# Altium PCB 2-quilter-output.PcbDoc (part 6 of 26)
Units mil, origin at the board's own origin, x right, y up, seen from the top; angles counter-clockwise.
Board outline 4130.55 x 4250 mil, 8 copper layers (L1, Ground L2, L3, Power L4, Ground L5, L6, Ground L7, L8), stack 62.985 mil thick; 591 components, 494 nets, 2245 pads, 1508 vias.
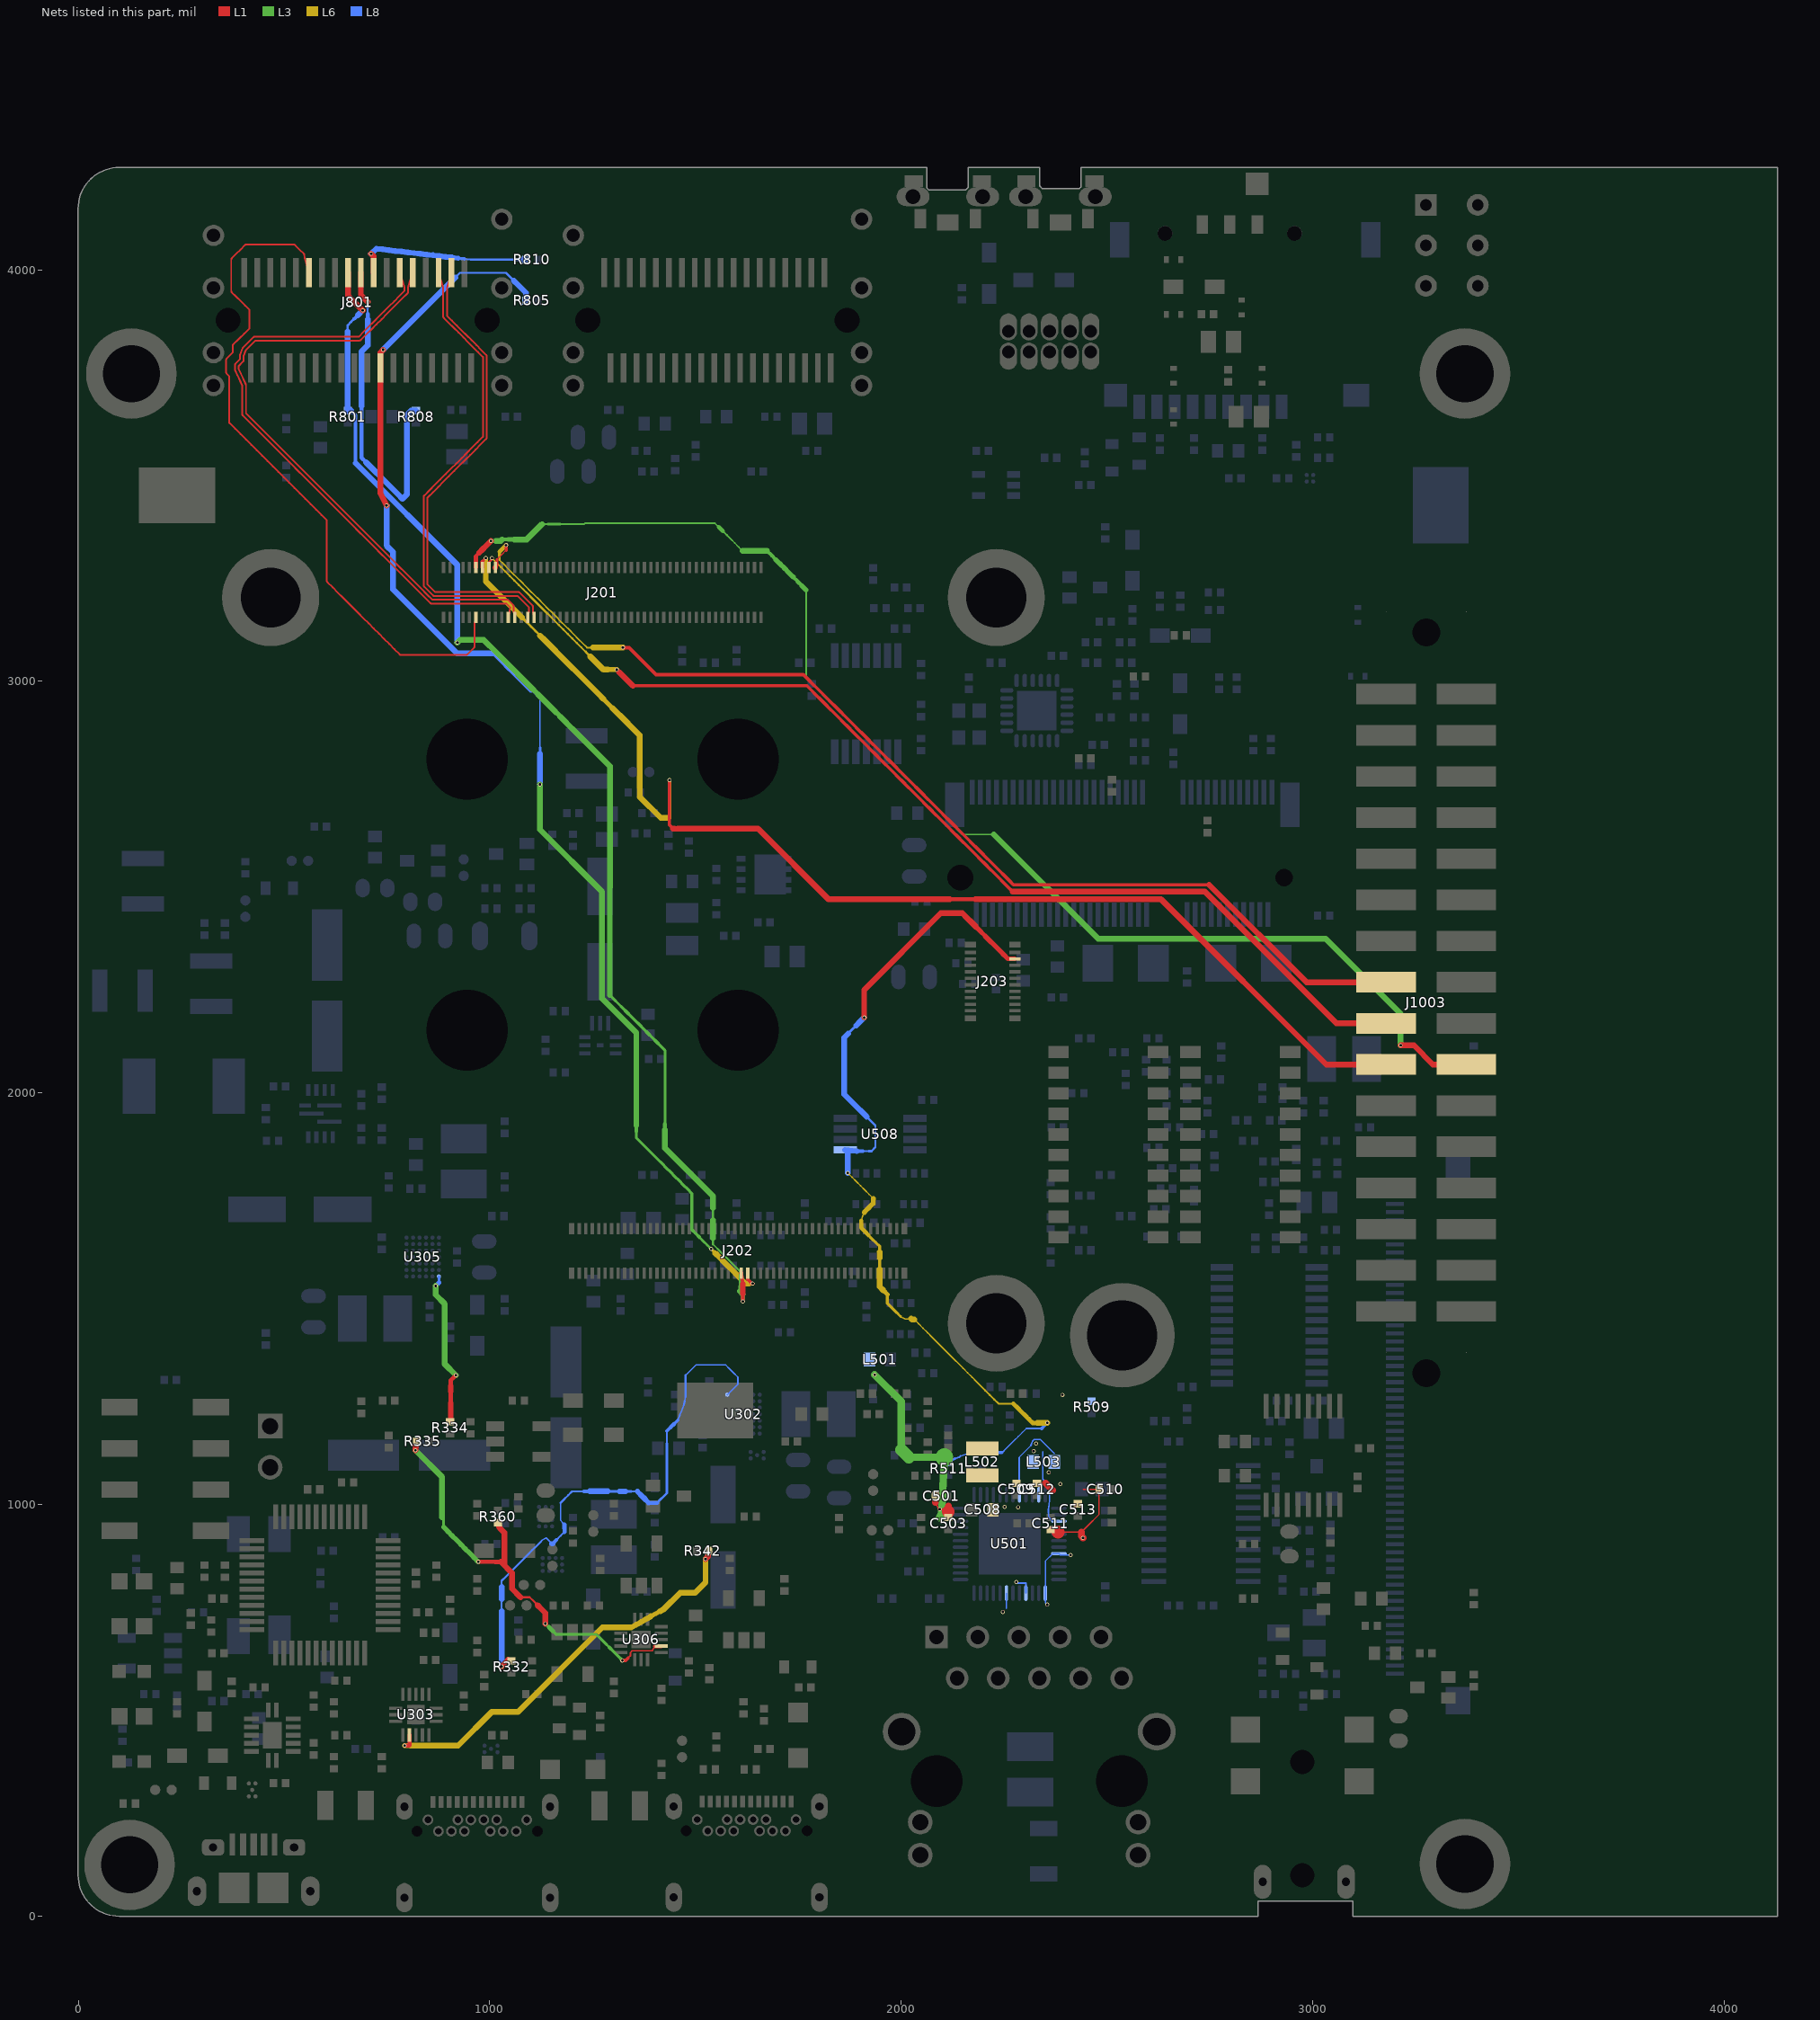
[diagram p12: the nets of this part, all layers, seen from the top]

## Via types
v1: diameter 9.85, hole 5.91, L1 to L8, tented both sides, 1508 vias

## Nets (pads, with @x,y where several pads share a name; then routed paths per layer and width w, separated by ;. In a path a pad name is that pad's centre, name@x,y a point inside that pad or via, vN(x,y) a via of type N, cw(c..) or ccw(c..) an arc to the next point about the centre after c; other vN are vias at no path point) (continued)
DSI_D1_P: J201.11 J801.B6 | length 1681.7
  L1 w4.28: J801.B6@560.94,3993.5 555.39,4011.29 549.84,4029.09 549.74,4035.44 549.74,4035.57 549.73,4035.69 549.72,4035.81 549.71,4035.93 549.69,4036.05 549.67,4036.17 549.65,4036.29 549.62,4036.41 549.59,4036.53 549.56,4036.65 549.53,4036.76 549.49,4036.88 549.45,4036.99 549.4,4037.11 549.36,4037.22 549.31,4037.33 549.25,4037.44 549.2,4037.55 549.14,4037.66 549.08,4037.76 549.01,4037.87 548.95,4037.97 548.88,4038.07 548.81,4038.17 548.73,4038.26 548.65,4038.36 548.57,4038.45 548.49,4038.54 548.41,4038.63 537.74,4049.3 527.09,4059.94 527.01,4060.03 526.92,4060.11 526.82,4060.19 526.73,4060.27 526.63,4060.34 526.54,4060.42 526.44,4060.49 526.34,4060.56 526.23,4060.62 526.13,4060.68 526.02,4060.74 525.91,4060.8 525.8,4060.85 525.69,4060.9 525.58,4060.95 525.47,4061 525.35,4061.04 525.24,4061.08 525.12,4061.11 525,4061.15 524.89,4061.18 524.77,4061.2 524.65,4061.23 524.53,4061.25 524.41,4061.26 524.28,4061.28 524.16,4061.29 524.04,4061.3 523.92,4061.3 523.81,4061.3 507.28,4061.3 490.75,4061.3 474.21,4061.3 457.68,4061.3 441.15,4061.3 424.61,4061.3 408.08,4061.3 407.96,4061.3 407.84,4061.3 407.71,4061.29 407.59,4061.28 407.47,4061.26 407.35,4061.24 407.23,4061.22 407.11,4061.2 406.99,4061.17 406.87,4061.14 406.76,4061.11 406.64,4061.07 406.52,4061.03 406.41,4060.99 406.3,4060.95 406.18,4060.9 406.07,4060.85 405.96,4060.79 405.86,4060.74 405.75,4060.68 405.65,4060.61 405.54,4060.55 405.44,4060.48 405.34,4060.41 405.24,4060.34 405.15,4060.26 405.06,4060.18 404.96,4060.1 404.87,4060.02 404.8,4059.94 394.22,4049.36 383.64,4038.78 373.06,4028.21 372.98,4028.12 372.89,4028.03 372.81,4027.94 372.73,4027.84 372.66,4027.75 372.59,4027.65 372.52,4027.55 372.45,4027.45 372.38,4027.34 372.32,4027.24 372.26,4027.13 372.2,4027.03 372.15,4026.92 372.1,4026.81 372.05,4026.69 372.01,4026.58 371.96,4026.47 371.93,4026.35 371.89,4026.23 371.86,4026.12 371.83,4026 371.8,4025.88 371.78,4025.76 371.76,4025.64 371.74,4025.52 371.73,4025.4 371.71,4025.27 371.71,4025.15 371.7,4025.03 371.7,4024.92 371.7,4005.89 371.7,3986.87 371.7,3967.84 371.7,3948.81 371.7,3948.68 371.71,3948.56 371.72,3948.44 371.73,3948.32 371.74,3948.2 371.76,3948.08 371.78,3947.96 371.8,3947.84 371.83,3947.72 371.86,3947.6 371.89,3947.48 371.93,3947.37 371.97,3947.25 372.01,3947.14 372.06,3947.02 372.11,3946.91 372.16,3946.8 372.21,3946.69 372.27,3946.58 372.33,3946.48 372.39,3946.37 372.46,3946.27 372.52,3946.17 372.59,3946.07 372.67,3945.97 372.74,3945.88 372.82,3945.78 372.9,3945.69 372.99,3945.6 373.06,3945.53 383.84,3934.74 394.63,3923.96 405.41,3913.18 416.19,3902.39 416.19,3887.64 416.19,3872.89 416.19,3858.14 403.15,3845.1 390.11,3832.06 377.06,3819.01 376.98,3818.93 376.89,3818.84 376.81,3818.74 376.74,3818.65 376.66,3818.56 376.59,3818.46 376.52,3818.36 376.45,3818.26 376.38,3818.15 376.32,3818.05 376.26,3817.94 376.21,3817.83 376.15,3817.72 376.1,3817.61 376.05,3817.5 376.01,3817.39 375.97,3817.27 375.93,3817.16 375.89,3817.04 375.86,3816.92 375.83,3816.81 375.8,3816.69 375.78,3816.57 375.76,3816.45 375.74,3816.33 375.73,3816.21 375.72,3816.08 375.71,3815.96 375.71,3815.84 375.7,3815.73 375.7,3799.4 368.32,3792.02 360.95,3784.64 360.86,3784.55 360.78,3784.47 360.7,3784.37 360.62,3784.28 360.54,3784.18 360.47,3784.09 360.4,3783.99 360.33,3783.89 360.27,3783.78 360.21,3783.68 360.15,3783.57 360.09,3783.46 360.04,3783.35 359.99,3783.24 359.94,3783.13 359.89,3783.02 359.85,3782.9 359.81,3782.79 359.78,3782.67 359.74,3782.55 359.71,3782.43 359.69,3782.32 359.66,3782.2 359.64,3782.08 359.63,3781.95 359.61,3781.83 359.6,3781.71 359.59,3781.59 359.59,3781.47 359.59,3781.36 359.59,3765.99 359.59,3750.62 359.59,3750.5 359.59,3750.38 359.6,3750.25 359.61,3750.13 359.63,3750.01 359.64,3749.89 359.67,3749.77 359.69,3749.65 359.72,3749.53 359.75,3749.41 359.78,3749.3 359.82,3749.18 359.86,3749.07 359.9,3748.95 359.94,3748.84 359.99,3748.73 360.04,3748.61 360.1,3748.51 360.15,3748.4 360.21,3748.29 360.28,3748.19 360.34,3748.08 360.41,3747.98 360.48,3747.88 360.55,3747.79 360.63,3747.69 360.71,3747.6 360.79,3747.5 360.87,3747.42 360.95,3747.34 366.69,3741.6 366.69,3723.05 366.69,3704.5 366.69,3685.95 366.69,3667.4 366.69,3648.85 366.69,3630.3 366.69,3630.18 366.69,3630.06 366.7,3629.94 366.71,3629.82 366.73,3629.69 366.75,3629.57 366.77,3629.45 366.79,3629.33 366.82,3629.22 366.85,3629.1 366.88,3628.98 366.92,3628.86 366.96,3628.75 367,3628.63 367.04,3628.52 367.09,3628.41 367.14,3628.3 367.2,3628.19 367.25,3628.08 367.31,3627.97 367.38,3627.87 367.44,3627.77 367.51,3627.67 367.58,3627.57 367.65,3627.47 367.73,3627.37 367.81,3627.28 367.89,3627.19 367.97,3627.1 368.05,3627.02 381.17,3613.9 394.29,3600.78 407.41,3587.66 420.52,3574.54 433.64,3561.42 446.76,3548.3 459.88,3535.18 473,3522.06 486.12,3508.94 499.24,3495.82 512.36,3482.71 525.48,3469.59 538.6,3456.47 551.72,3443.35 564.84,3430.23 577.96,3417.11 591.08,3403.99 604.2,3390.87 604.2,3372.55 604.2,3354.23 604.2,3335.91 604.2,3317.58 604.2,3299.26 604.2,3280.94 604.2,3262.62 604.2,3244.3 604.2,3244.18 604.21,3244.06 604.21,3243.94 604.23,3243.82 604.24,3243.69 604.26,3243.57 604.28,3243.45 604.3,3243.33 604.33,3243.21 604.36,3243.1 604.39,3242.98 604.43,3242.86 604.47,3242.75 604.51,3242.63 604.56,3242.52 604.6,3242.41 604.66,3242.3 604.71,3242.19 604.77,3242.08 604.83,3241.97 604.89,3241.87 604.95,3241.77 605.02,3241.66 605.09,3241.57 605.17,3241.47 605.24,3241.37 605.32,3241.28 605.4,3241.19 605.48,3241.1 605.56,3241.02 618.1,3228.48 630.65,3215.93 643.19,3203.39 655.74,3190.84 668.28,3178.3 680.83,3165.75 693.37,3153.21 705.92,3140.66 718.46,3128.12 731.01,3115.57 743.55,3103.03 756.1,3090.48 768.64,3077.94 781.18,3065.4 781.27,3065.31 781.36,3065.23 781.45,3065.15 781.55,3065.07 781.64,3064.99 781.74,3064.92 781.84,3064.85 781.94,3064.78 782.05,3064.72 782.15,3064.66 782.26,3064.6 782.36,3064.54 782.47,3064.49 782.58,3064.43 782.7,3064.39 782.81,3064.34 782.92,3064.3 783.04,3064.26 783.16,3064.22 783.27,3064.19 783.39,3064.16 783.51,3064.14 783.63,3064.11 783.75,3064.09 783.87,3064.07 783.99,3064.06 784.12,3064.05 784.24,3064.04 784.36,3064.04 784.47,3064.04 802.04,3064.04 819.61,3064.04 837.18,3064.04 854.75,3064.04 872.32,3064.04 889.89,3064.04 907.46,3064.04 925.03,3064.04 942.6,3064.04 942.72,3064.04 942.84,3064.04 942.97,3064.05 943.09,3064.06 943.21,3064.08 943.33,3064.09 943.45,3064.11 943.57,3064.14 943.69,3064.17 943.81,3064.2 943.92,3064.23 944.04,3064.27 944.15,3064.3 944.27,3064.35 944.38,3064.39 944.49,3064.44 944.6,3064.49 944.71,3064.55 944.82,3064.6 944.93,3064.66 945.03,3064.73 945.14,3064.79 945.24,3064.86 945.34,3064.93 945.43,3065 945.53,3065.08 945.62,3065.16 945.71,3065.24 945.8,3065.32 945.88,3065.4 953.85,3073.37 961.82,3081.34 961.91,3081.42 961.99,3081.51 962.07,3081.6 962.15,3081.7 962.22,3081.79 962.3,3081.89 962.37,3081.99 962.43,3082.09 962.5,3082.2 962.56,3082.3 962.62,3082.41 962.68,3082.52 962.73,3082.63 962.78,3082.74 962.83,3082.85 962.87,3082.96 962.92,3083.08 962.96,3083.19 962.99,3083.31 963.02,3083.43 963.05,3083.54 963.08,3083.66 963.1,3083.78 963.12,3083.9 963.14,3084.02 963.16,3084.14 963.17,3084.27 963.17,3084.39 963.18,3084.51 963.18,3084.62 963.18,3099.79 963.18,3114.96 963.18,3130.13 963.32,3141.08 J201.11@966.56,3150.49
DSI_D2_N: J201.21 J801.B13 | length 1538.7
  L1 w4.28: 392.69,3790.94 392.69,3782.46 381.97,3771.75 381.89,3771.66 381.81,3771.57 381.73,3771.48 381.65,3771.38 381.57,3771.29 381.5,3771.19 381.43,3771.09 381.36,3770.99 381.3,3770.89 381.23,3770.78 381.17,3770.68 381.12,3770.57 381.06,3770.46 381.01,3770.35 380.97,3770.24 380.92,3770.12 380.88,3770.01 380.84,3769.89 380.8,3769.78 380.77,3769.66 380.74,3769.54 380.71,3769.42 380.69,3769.3 380.67,3769.18 380.65,3769.06 380.64,3768.94 380.63,3768.82 380.62,3768.7 380.62,3768.57 380.62,3768.47 380.62,3758.06 380.62,3757.94 380.62,3757.82 380.63,3757.7 380.64,3757.58 380.66,3757.45 380.67,3757.33 380.69,3757.21 380.72,3757.09 380.74,3756.98 380.77,3756.86 380.81,3756.74 380.84,3756.62 380.88,3756.51 380.93,3756.39 380.97,3756.28 381.02,3756.17 381.04,3756.12 386.87,3743.51 392.69,3730.9 398.51,3718.29 398.51,3701.04 398.51,3683.79 398.51,3666.54 398.51,3649.28 398.52,3649.16 398.52,3649.04 398.53,3648.92 398.54,3648.8 398.55,3648.68 398.57,3648.55 398.59,3648.43 398.62,3648.31 398.64,3648.2 398.67,3648.08 398.71,3647.96 398.74,3647.84 398.78,3647.73 398.83,3647.61 398.87,3647.5 398.92,3647.39 398.97,3647.28 399.02,3647.17 399.08,3647.06 399.14,3646.95 399.2,3646.85 399.27,3646.75 399.34,3646.65 399.41,3646.55 399.48,3646.45 399.56,3646.35 399.63,3646.26 399.72,3646.17 399.8,3646.08 399.87,3646 413.28,3632.6 426.68,3619.2 440.08,3605.79 453.48,3592.39 466.89,3578.99 480.29,3565.59 493.69,3552.18 507.1,3538.78 520.5,3525.38 533.9,3511.98 547.3,3498.57 560.71,3485.17 574.11,3471.77 587.51,3458.36 600.91,3444.96 614.32,3431.56 627.72,3418.16 641.12,3404.75 654.52,3391.35 667.93,3377.95 681.33,3364.55 694.73,3351.14 708.14,3337.74 721.54,3324.34 734.94,3310.94 748.34,3297.53 761.75,3284.13 775.15,3270.73 788.55,3257.32 801.95,3243.92 815.36,3230.52 828.76,3217.12 842.16,3203.71 855.56,3190.31 855.65,3190.23 855.74,3190.14 855.83,3190.06 855.93,3189.99 856.02,3189.91 856.12,3189.84 856.22,3189.77 856.32,3189.7 856.43,3189.63 856.53,3189.57 856.64,3189.51 856.74,3189.46 856.85,3189.4 856.96,3189.35 857.08,3189.3 857.19,3189.26 857.3,3189.22 857.42,3189.18 857.54,3189.14 857.65,3189.11 857.77,3189.08 857.89,3189.05 858.01,3189.03 858.13,3189.01 858.25,3188.99 858.37,3188.98 858.49,3188.97 858.62,3188.96 858.74,3188.95 858.85,3188.95 876.99,3188.95 895.14,3188.95 913.29,3188.95 931.43,3188.95 949.58,3188.95 967.73,3188.95 985.88,3188.95 1004.02,3188.95 1022.17,3188.95 1040.32,3188.95 1049.2,3180.07 1048.54,3169.46 J201.21@1045.28,3155.16 ; 392.69,3790.99 392.69,3791.11 392.69,3791.23 392.7,3791.35 392.72,3791.47 392.73,3791.59 392.75,3791.72 392.77,3791.84 392.8,3791.95 392.83,3792.07 392.86,3792.19 392.89,3792.31 392.93,3792.42 392.97,3792.54 399,3808.98 399.03,3809.03 399.07,3809.15 399.12,3809.26 399.17,3809.37 399.22,3809.48 399.28,3809.59 399.34,3809.69 399.4,3809.8 399.47,3809.9 399.53,3810 399.61,3810.1 399.68,3810.2 399.75,3810.3 399.83,3810.39 399.91,3810.48 399.99,3810.57 400.08,3810.66 412.79,3823.37 425.5,3836.08 425.57,3836.15 425.66,3836.23 425.75,3836.31 425.85,3836.39 425.94,3836.47 426.04,3836.54 426.14,3836.61 426.24,3836.68 426.34,3836.75 426.45,3836.81 426.56,3836.87 426.66,3836.93 426.77,3836.98 426.88,3837.03 426.99,3837.08 427.11,3837.12 427.22,3837.17 427.34,3837.21 427.45,3837.24 427.57,3837.28 427.69,3837.31 427.81,3837.33 427.93,3837.36 428.05,3837.38 428.17,3837.39 428.29,3837.41 428.41,3837.42 428.53,3837.43 428.66,3837.43 428.78,3837.43 446.83,3837.43 464.88,3837.43 482.94,3837.43 500.99,3837.43 519.04,3837.43 537.1,3837.43 555.15,3837.43 573.2,3837.43 591.25,3837.43 609.31,3837.43 627.36,3837.43 645.41,3837.43 663.47,3837.43 681.52,3837.43 693.86,3849.77 706.19,3862.11 718.53,3874.44 730.86,3886.78 743.2,3899.11 755.53,3911.45 767.87,3923.78 780.2,3936.12 792.54,3948.45 792.53,3957.99 786.97,3975.74 J801.B13@781.42,3993.5
DSI_D2_P: J201.23 J801.B14 | length 1538.9
  L1 w4.28: J801.B14@812.92,3993.5 807.36,3975.75 801.81,3958 801.82,3946.54 801.82,3946.43 801.82,3946.3 801.81,3946.18 801.8,3946.06 801.78,3945.94 801.77,3945.82 801.75,3945.7 801.72,3945.58 801.7,3945.46 801.67,3945.34 801.63,3945.22 801.6,3945.11 801.56,3944.99 801.52,3944.88 801.47,3944.76 801.42,3944.65 801.37,3944.54 801.32,3944.43 801.26,3944.32 801.2,3944.22 801.14,3944.11 801.08,3944.01 801.01,3943.91 800.94,3943.81 800.86,3943.71 800.79,3943.61 800.71,3943.52 800.63,3943.43 800.55,3943.34 800.46,3943.25 787.82,3930.61 775.19,3917.98 762.55,3905.34 749.91,3892.7 737.27,3880.06 724.64,3867.43 712,3854.79 699.36,3842.15 686.72,3829.51 686.65,3829.44 686.56,3829.36 686.47,3829.28 686.37,3829.2 686.28,3829.12 686.18,3829.05 686.08,3828.98 685.98,3828.91 685.88,3828.84 685.77,3828.78 685.66,3828.72 685.56,3828.66 685.45,3828.61 685.34,3828.56 685.22,3828.51 685.11,3828.47 685,3828.42 684.88,3828.38 684.77,3828.35 684.65,3828.31 684.53,3828.28 684.41,3828.26 684.29,3828.23 684.17,3828.21 684.05,3828.19 683.93,3828.18 683.81,3828.17 683.69,3828.16 683.56,3828.16 683.44,3828.15 665.39,3828.15 647.34,3828.15 629.28,3828.15 611.23,3828.15 593.18,3828.15 575.12,3828.15 557.07,3828.15 539.02,3828.15 520.96,3828.15 502.91,3828.15 484.86,3828.15 466.81,3828.15 448.75,3828.15 430.7,3828.15 419.03,3816.49 407.36,3804.82 401.97,3790.11 401.97,3780.54 401.96,3780.43 401.96,3780.31 401.95,3780.19 401.94,3780.06 401.93,3779.94 401.91,3779.82 401.89,3779.7 401.87,3779.58 401.84,3779.46 401.81,3779.34 401.78,3779.23 401.74,3779.11 401.7,3779 401.66,3778.88 401.62,3778.77 401.57,3778.66 401.52,3778.54 401.46,3778.43 401.41,3778.33 401.35,3778.22 401.28,3778.12 401.22,3778.01 401.15,3777.91 401.08,3777.81 401.01,3777.71 400.93,3777.62 400.85,3777.52 400.77,3777.43 400.69,3777.34 400.61,3777.26 389.9,3766.54 389.9,3759.08 395.72,3746.47 401.54,3733.86 407.37,3721.26 407.39,3721.21 407.44,3721.09 407.48,3720.98 407.53,3720.87 407.57,3720.75 407.6,3720.63 407.64,3720.52 407.67,3720.4 407.69,3720.28 407.72,3720.16 407.74,3720.04 407.75,3719.92 407.77,3719.8 407.78,3719.68 407.79,3719.55 407.79,3719.43 407.79,3719.31 407.79,3702.28 407.79,3685.26 407.79,3668.23 407.79,3651.21 421.12,3637.88 434.44,3624.56 447.76,3611.24 461.09,3597.91 474.41,3584.59 487.73,3571.27 501.05,3557.95 514.38,3544.62 527.7,3531.3 541.02,3517.98 554.34,3504.66 567.67,3491.33 580.99,3478.01 594.31,3464.69 607.64,3451.36 620.96,3438.04 634.28,3424.72 647.6,3411.4 660.93,3398.07 674.25,3384.75 687.57,3371.43 700.89,3358.11 714.22,3344.78 727.54,3331.46 740.86,3318.14 754.19,3304.81 767.51,3291.49 780.83,3278.17 794.15,3264.85 807.48,3251.52 820.8,3238.2 834.12,3224.88 847.45,3211.55 860.77,3198.23 878.91,3198.23 897.06,3198.23 915.21,3198.23 933.36,3198.23 951.5,3198.23 969.65,3198.23 987.8,3198.23 1005.95,3198.23 1024.09,3198.23 1042.24,3198.23 1042.35,3198.23 1042.47,3198.23 1042.59,3198.22 1042.71,3198.21 1042.83,3198.19 1042.95,3198.18 1043.08,3198.16 1043.19,3198.13 1043.31,3198.11 1043.43,3198.08 1043.55,3198.04 1043.67,3198.01 1043.78,3197.97 1043.9,3197.93 1044.01,3197.88 1044.12,3197.83 1044.23,3197.78 1044.34,3197.73 1044.45,3197.67 1044.56,3197.61 1044.66,3197.55 1044.76,3197.49 1044.87,3197.42 1044.97,3197.35 1045.06,3197.27 1045.16,3197.2 1045.25,3197.12 1045.34,3197.04 1045.43,3196.96 1045.52,3196.87 1057.25,3185.15 ; 1057.27,3185.12 1057.35,3185.04 1057.44,3184.95 1057.52,3184.85 1057.59,3184.76 1057.67,3184.66 1057.74,3184.57 1057.81,3184.47 1057.88,3184.36 1057.94,3184.26 1058,3184.15 1058.06,3184.05 1058.12,3183.94 1058.17,3183.83 1058.22,3183.72 1058.27,3183.61 1058.31,3183.49 1058.35,3183.38 1058.39,3183.26 1058.43,3183.14 1058.46,3183.03 1058.49,3182.91 1058.51,3182.79 1058.54,3182.67 1058.56,3182.55 1058.57,3182.43 1058.58,3182.31 1058.59,3182.19 1058.6,3182.06 1058.61,3181.94 1058.61,3181.82 1058.6,3181.7 1058.6,3181.58 1057.8,3168.88 J201.23@1061.03,3155.16
DSI_D3_N: J201.27 J801.B16 | length 1164.8
  L1 w4.28: J801.B16@875.91,3993.5 881.46,3975.73 887.01,3957.95 887.13,3946.26 887.13,3931.3 887.13,3916.33 887.13,3901.37 887.13,3886.4 887.13,3886.28 887.13,3886.16 887.14,3886.04 887.15,3885.92 887.17,3885.79 887.18,3885.67 887.2,3885.55 887.23,3885.43 887.26,3885.32 887.29,3885.2 887.32,3885.08 887.36,3884.96 887.39,3884.85 887.44,3884.73 887.48,3884.62 887.53,3884.51 887.58,3884.4 887.64,3884.29 887.69,3884.18 887.75,3884.07 887.82,3883.97 887.88,3883.87 887.95,3883.77 888.02,3883.67 888.09,3883.57 888.17,3883.47 888.25,3883.38 888.33,3883.29 888.41,3883.2 888.49,3883.12 900.36,3871.25 912.24,3859.37 924.11,3847.5 935.99,3835.62 947.86,3823.75 959.74,3811.87 971.61,3799.99 983.49,3788.12 983.49,3770.49 983.49,3752.85 983.49,3735.22 983.49,3717.58 983.49,3699.95 983.49,3682.32 983.49,3664.68 983.49,3647.05 983.49,3629.41 983.49,3611.78 983.49,3594.14 970.54,3581.19 957.59,3568.24 944.64,3555.29 931.69,3542.34 918.74,3529.39 905.79,3516.44 892.84,3503.49 879.89,3490.54 866.94,3477.59 853.99,3464.64 841.04,3451.69 840.95,3451.61 840.87,3451.52 840.79,3451.43 840.71,3451.33 840.63,3451.24 840.56,3451.14 840.49,3451.04 840.42,3450.94 840.36,3450.83 840.3,3450.73 840.24,3450.62 840.18,3450.51 840.13,3450.4 840.08,3450.29 840.03,3450.18 839.98,3450.07 839.94,3449.95 839.9,3449.84 839.87,3449.72 839.83,3449.6 839.8,3449.49 839.78,3449.37 839.75,3449.25 839.73,3449.13 839.72,3449.01 839.7,3448.89 839.69,3448.76 839.68,3448.64 839.68,3448.52 839.68,3448.41 839.68,3430.48 839.68,3412.54 839.68,3394.6 839.68,3376.66 839.68,3358.72 839.68,3340.79 839.68,3322.85 839.68,3304.91 839.68,3286.97 839.68,3269.04 839.68,3251.1 839.68,3233.16 839.68,3233.04 839.68,3232.92 839.69,3232.8 839.7,3232.67 839.72,3232.55 839.74,3232.43 839.76,3232.31 839.78,3232.19 839.81,3232.07 839.84,3231.96 839.87,3231.84 839.91,3231.72 839.95,3231.61 839.99,3231.49 840.03,3231.38 840.08,3231.27 840.13,3231.16 840.19,3231.05 840.24,3230.94 840.3,3230.83 840.37,3230.73 840.43,3230.63 840.5,3230.52 840.57,3230.42 840.64,3230.33 840.72,3230.23 840.8,3230.14 840.88,3230.05 840.96,3229.96 841.04,3229.88 851.51,3219.41 861.98,3208.94 862.06,3208.86 862.15,3208.77 862.25,3208.69 862.34,3208.61 862.43,3208.54 862.53,3208.47 862.63,3208.4 862.73,3208.33 862.84,3208.26 862.94,3208.2 863.05,3208.14 863.16,3208.09 863.27,3208.03 863.38,3207.98 863.49,3207.93 863.6,3207.89 863.72,3207.85 863.83,3207.81 863.95,3207.77 864.07,3207.74 864.18,3207.71 864.3,3207.68 864.42,3207.66 864.54,3207.64 864.66,3207.62 864.78,3207.61 864.91,3207.6 865.03,3207.59 865.15,3207.58 865.26,3207.58 883.66,3207.58 902.06,3207.58 920.46,3207.58 938.86,3207.58 957.26,3207.58 975.66,3207.58 994.06,3207.58 1012.46,3207.58 1030.86,3207.58 1049.26,3207.58 1067.66,3207.58 1077.01,3198.23 1086.36,3188.88 1095.72,3179.52 1095.77,3169.15 J201.27@1092.53,3155.16
DSI_D3_P: J201.29 J801.B17 | length 1164.8
  L1 w4.28: 896.41,3946.26 896.41,3931.78 896.41,3917.29 896.41,3902.81 896.41,3888.32 908.28,3876.45 920.16,3864.57 932.03,3852.7 943.91,3840.82 955.78,3828.95 967.66,3817.07 979.53,3805.2 991.41,3793.32 991.48,3793.25 991.57,3793.16 991.65,3793.07 991.73,3792.97 991.8,3792.88 991.87,3792.78 991.95,3792.68 992.01,3792.58 992.08,3792.47 992.14,3792.37 992.2,3792.26 992.26,3792.16 992.31,3792.05 992.36,3791.94 992.41,3791.82 992.46,3791.71 992.5,3791.6 992.54,3791.48 992.57,3791.36 992.61,3791.25 992.64,3791.13 992.67,3791.01 992.69,3790.89 992.71,3790.77 992.73,3790.65 992.74,3790.53 992.75,3790.41 992.76,3790.29 992.77,3790.16 992.77,3790.04 992.77,3772.06 992.77,3754.07 992.77,3736.09 992.77,3718.11 992.77,3700.12 992.77,3682.14 992.77,3664.16 992.77,3646.17 992.77,3628.19 992.77,3610.21 992.77,3592.22 992.77,3592.12 992.76,3591.99 992.75,3591.87 992.74,3591.75 992.73,3591.63 992.71,3591.51 992.69,3591.39 992.67,3591.27 992.64,3591.15 992.61,3591.03 992.58,3590.91 992.54,3590.8 992.5,3590.68 992.46,3590.57 992.42,3590.45 992.37,3590.34 992.32,3590.23 992.26,3590.12 992.21,3590.01 992.15,3589.91 992.09,3589.8 992.02,3589.7 991.95,3589.6 991.88,3589.5 991.81,3589.4 991.73,3589.3 991.66,3589.21 991.58,3589.12 991.49,3589.03 991.41,3588.94 978.46,3575.99 965.51,3563.04 952.56,3550.09 939.61,3537.14 926.66,3524.19 913.71,3511.24 900.76,3498.29 887.81,3485.34 874.86,3472.39 861.91,3459.44 848.96,3446.49 848.96,3428.87 848.96,3411.26 848.96,3393.64 848.96,3376.02 848.96,3358.4 848.96,3340.79 848.96,3323.17 848.96,3305.55 848.96,3287.94 848.96,3270.32 848.96,3252.7 848.96,3235.08 858.07,3225.97 867.18,3216.86 885.58,3216.86 903.98,3216.86 922.38,3216.86 940.78,3216.86 959.18,3216.86 977.58,3216.86 995.98,3216.86 1014.38,3216.86 1032.78,3216.86 1051.18,3216.86 1069.58,3216.86 1069.69,3216.86 1069.81,3216.86 1069.93,3216.85 1070.05,3216.84 1070.17,3216.82 1070.29,3216.81 1070.41,3216.79 1070.53,3216.76 1070.65,3216.74 1070.77,3216.71 1070.89,3216.67 1071.01,3216.64 1071.12,3216.6 1071.24,3216.56 1071.35,3216.51 1071.46,3216.46 1071.57,3216.41 1071.68,3216.36 1071.79,3216.3 1071.9,3216.24 1072,3216.18 1072.1,3216.12 1072.21,3216.05 1072.3,3215.98 1072.4,3215.9 1072.5,3215.83 1072.59,3215.75 1072.68,3215.67 1072.77,3215.59 1072.86,3215.5 1083.12,3205.25 1093.37,3194.99 1103.63,3184.74 1103.68,3184.68 1103.77,3184.59 1103.85,3184.5 1103.93,3184.41 1104,3184.31 1104.08,3184.21 1104.15,3184.12 1104.22,3184.01 1104.28,3183.91 1104.35,3183.81 1104.41,3183.7 1104.46,3183.59 1104.52,3183.49 1104.57,3183.38 1104.62,3183.26 1104.66,3183.15 1104.71,3183.04 1104.75,3182.92 1104.78,3182.8 1104.82,3182.69 1104.85,3182.57 1104.88,3182.45 1104.9,3182.33 1104.92,3182.21 1104.94,3182.09 1104.96,3181.97 1104.97,3181.85 1104.98,3181.73 1104.98,3181.6 1104.98,3181.48 1105.05,3169.2 J201.29@1108.28,3155.16 ; 896.41,3946.31 896.29,3958.04 901.85,3975.77 J801.B17@907.41,3993.5